# Altium PCB WX0.007.247PCB-4.2.PcbDoc (part 1 of 2)
Units mil, origin at the board's own origin, x right, y up, seen from the top; angles counter-clockwise.
Board outline 4724.41 x 7748.1 mil, 2 copper layers (Top Layer, Bottom Layer), stack 12.8 mil thick; 181 components, 142 nets, 623 pads, 518 vias.
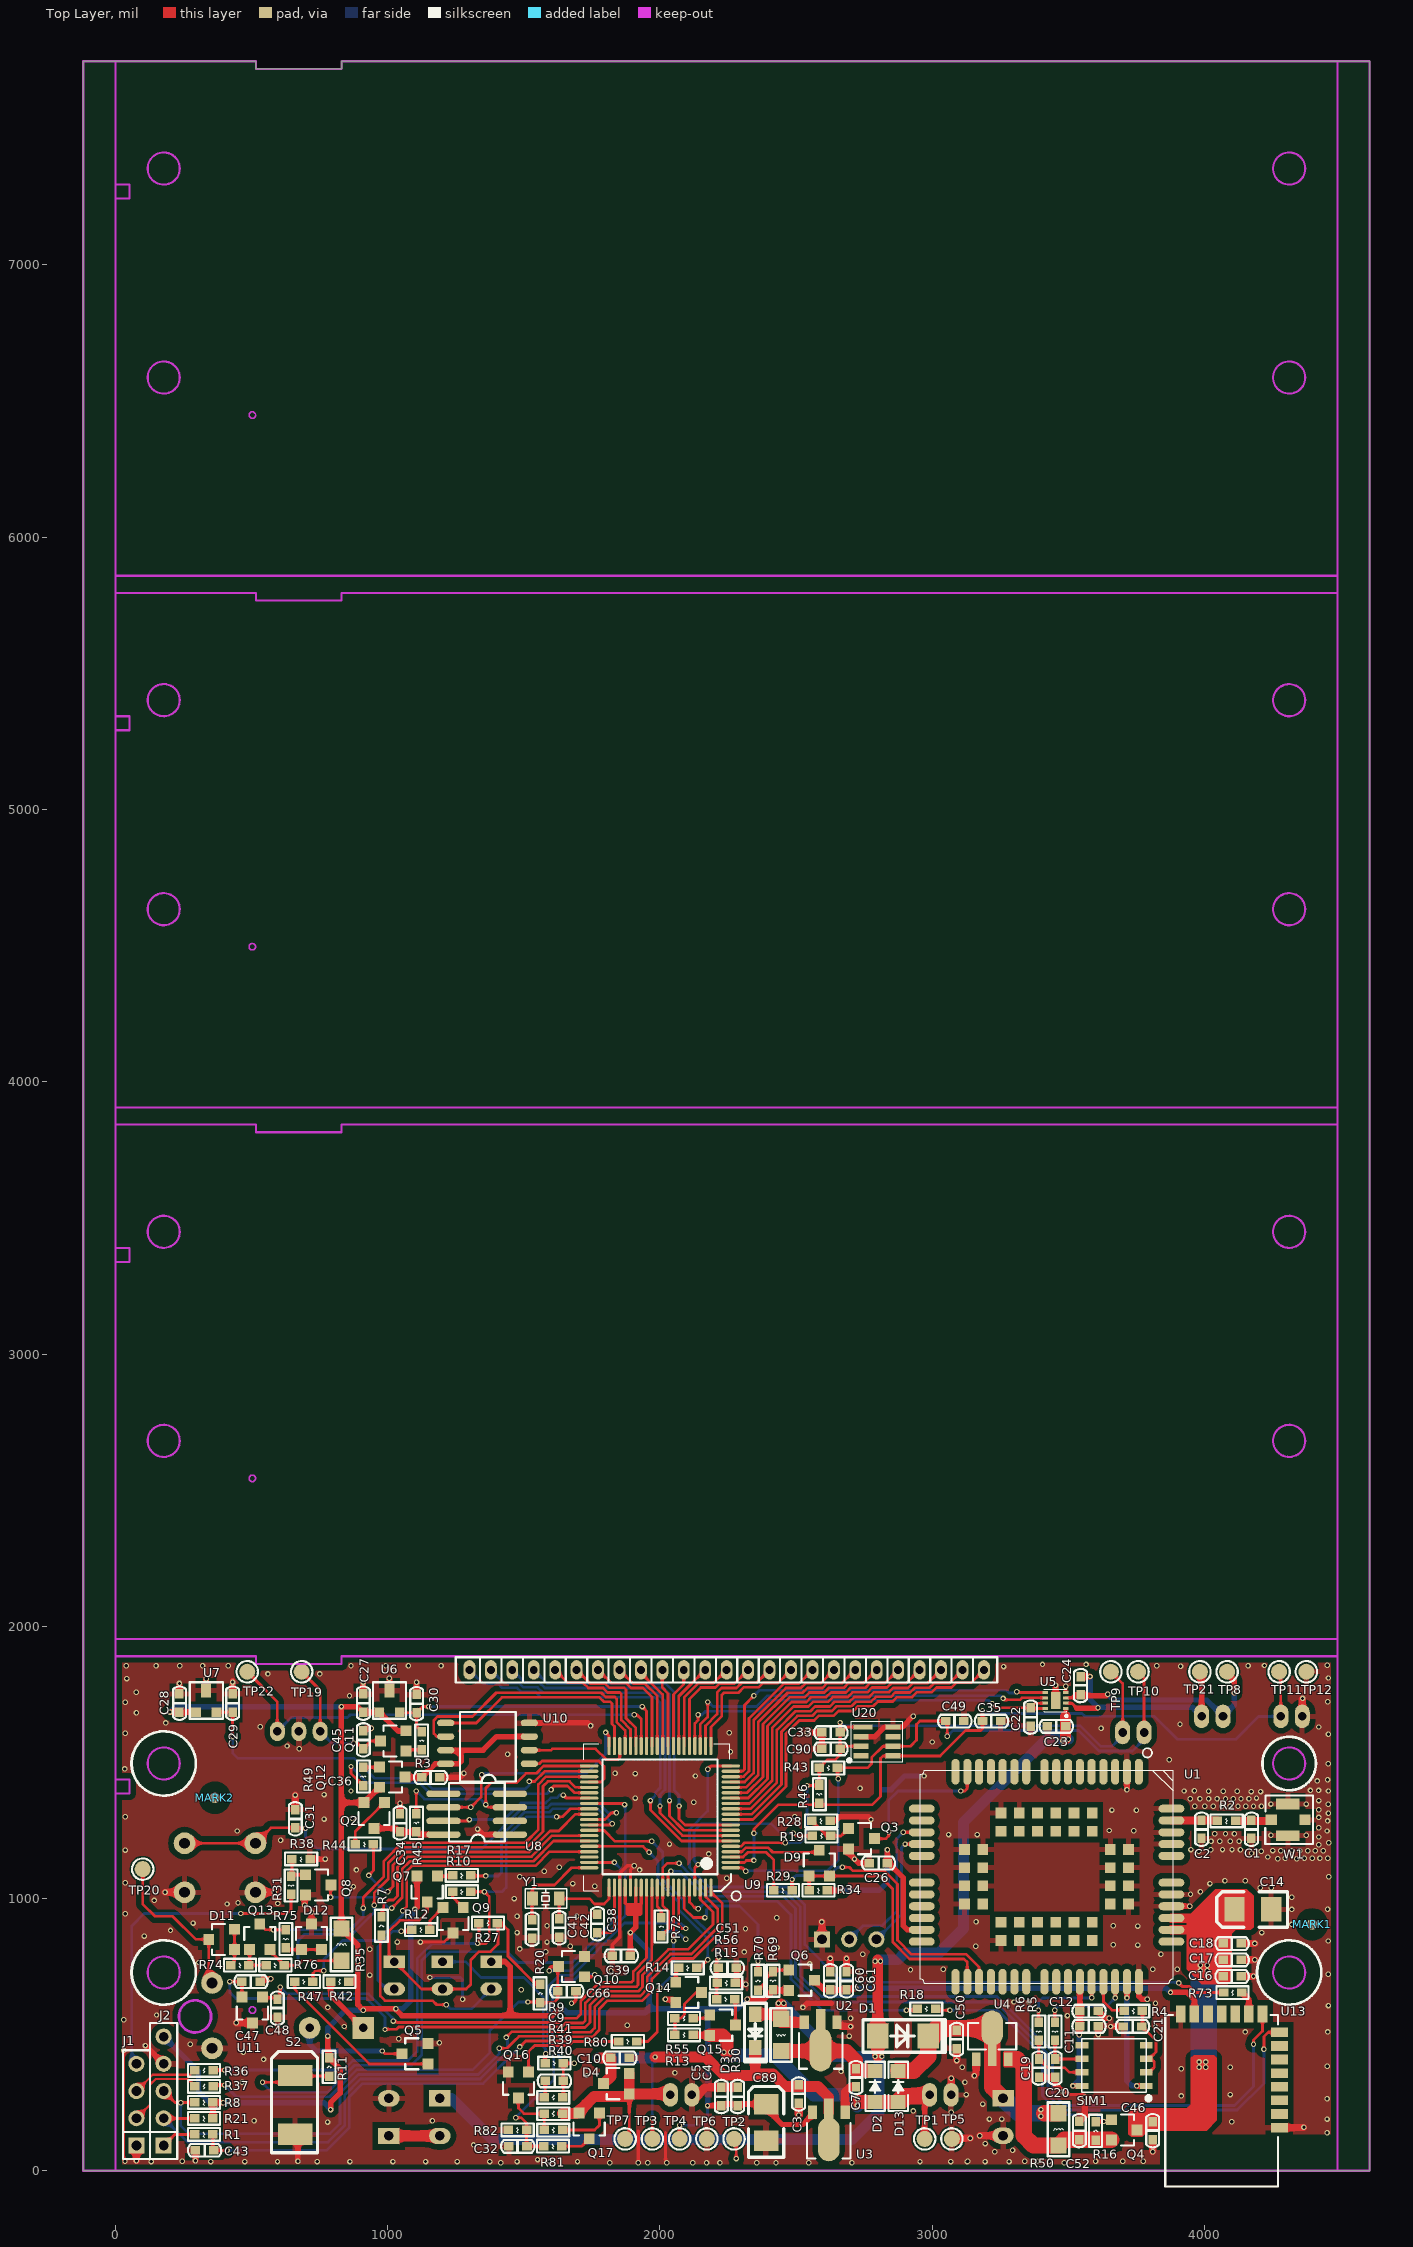
[diagram p0: Top Layer view]
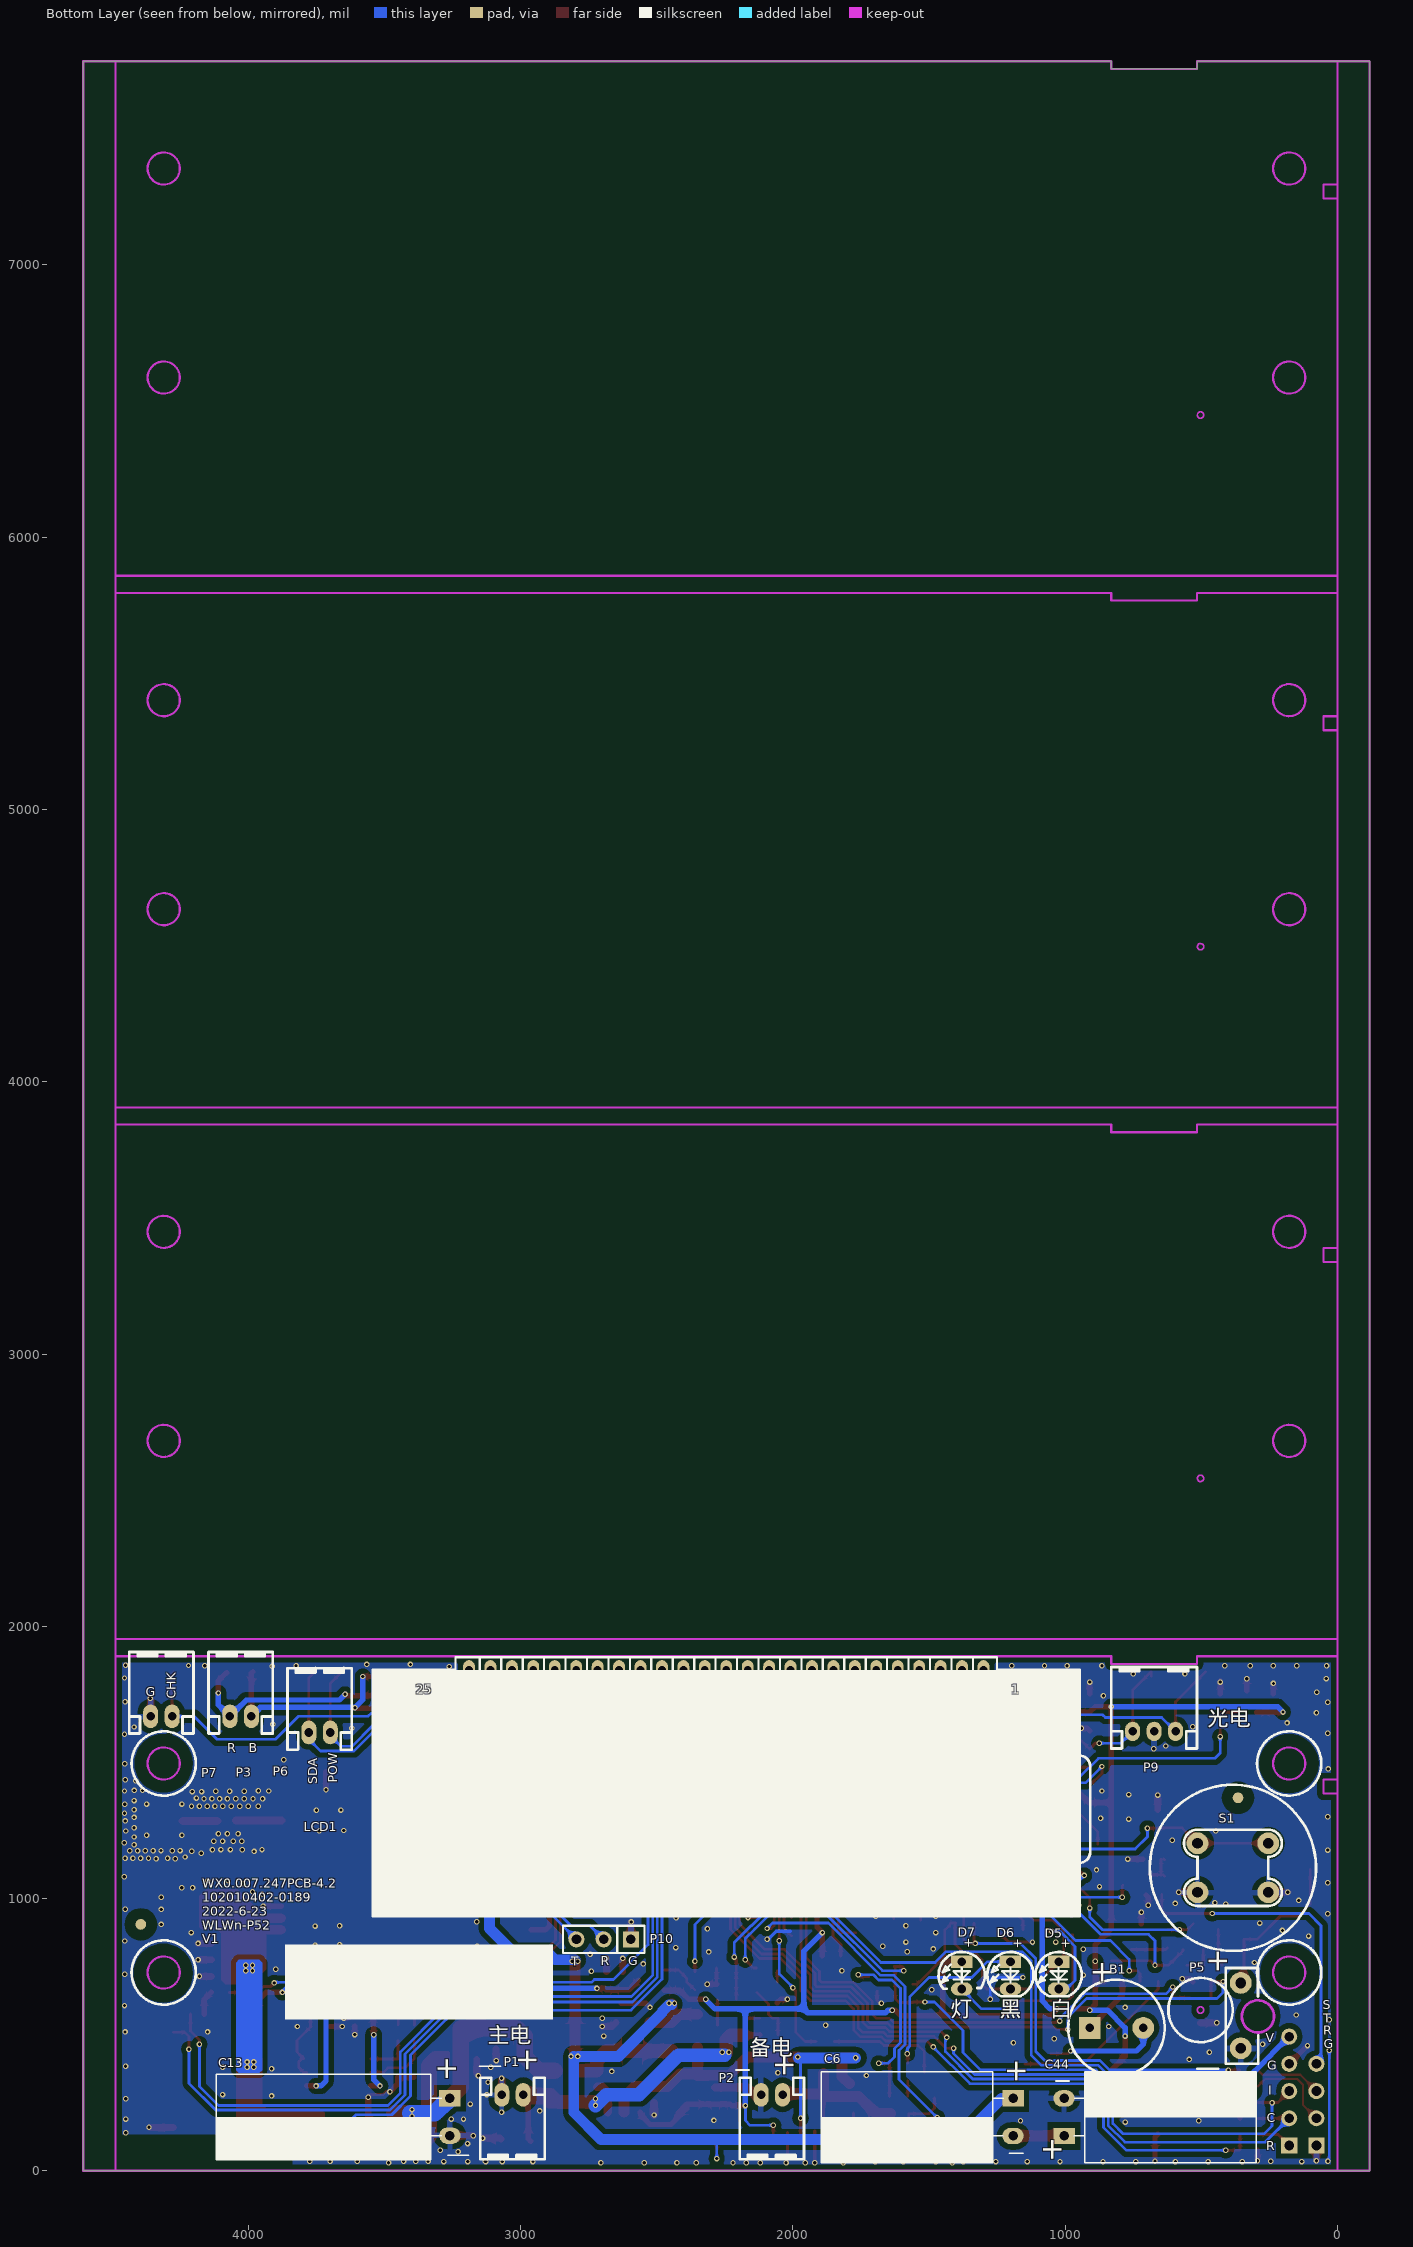
[diagram p1: Bottom Layer view, seen from below]

## Layer stack, top to bottom
Top Solder: solder mask 0.4, Solder Resist, Dk 3.5
Top Layer: signal copper 1.4
Dielectric 1: core 10, FR-4, Dk 4.2
Bottom Layer: signal copper 1.4
Bottom Solder: solder mask 0.4, Solder Resist, Dk 3.5

## Board outline
-118.11,0 -118.11,7748.07 515.76,7748.07 515.76,7720.33 830.72,7720.33 830.72,7748.07 4488.18,7748.07 4488.19,7748.04 4606.29,7748.04 4606.29,-0.03 4606.3,0 4488.17,0 4488.19,0 0,0

## Design rules (kind name [scope] priority, off if disabled: settings)
Clearance VIA-VIA [ISVIA vs ISVIA] p1: gap=20 ignorepadtopadclearanceinfootprint=FALSE except(0: Arc-Hole Track-Hole SMDPad-Hole THPad-Hole Via-Hole Fill-Hole Poly-Hole Region-Hole Text-Hole)
Clearance VIA-PAD [ISVIA vs ISPAD] p2: gap=15 ignorepadtopadclearanceinfootprint=FALSE except(0: Arc-Hole Track-Hole SMDPad-Hole THPad-Hole Via-Hole Fill-Hole Poly-Hole Region-Hole Text-Hole)
Clearance VIA-TRACK [ISVIA vs ISTRACK] p3: gap=15 ignorepadtopadclearanceinfootprint=FALSE except(0: Arc-Hole Track-Hole SMDPad-Hole THPad-Hole Via-Hole Fill-Hole Poly-Hole Region-Hole Text-Hole)
Clearance Polygon [InPolygon] p4: gap=20 ignorepadtopadclearanceinfootprint=FALSE except(0: Arc-Hole Track-Hole SMDPad-Hole THPad-Hole Via-Hole Fill-Hole Poly-Hole Region-Hole Text-Hole)
Clearance [All] p5: gap=7 ignorepadtopadclearanceinfootprint=FALSE except(0: Arc-Hole Track-Hole SMDPad-Hole THPad-Hole Via-Hole Fill-Hole Poly-Hole Region-Hole Text-Hole)
ComponentClearance [All] p1 off: gap=10 collisioncheckmode=3 verticalgap=10 showdistances=FALSE
FabricationTestPointUsage TestPointUsage [All] p1: valid=0 allowmultiple=FALSE
FabricationTestpoint Testpoint [(IsPad And (OnTopLayer Or OnBottomLayer))] p1: side=3 testpointundercomponent=TRUE minsize=40 maxsize=100 preferedsize=60 minholesize=0 maxholesize=40 preferedholesize=32 testpointgrid=1 allowsidetop=TRUE allowsidebottom=TRUE usegrid=TRUE gridtolerance=0.01
HoleSize [All] p1 off: absolutevalues=TRUE maxlimit=300 minlimit=0 maxpercent=80.000 minpercent=20.000
HoleToHoleClearance [All] p1 off: gap=10 allowstackedmicrovias=TRUE
LayerPairs [All] p1 off: enforce=TRUE
MinimumSolderMaskSliver [All] p1 off: minsoldermaskwidth=10
NetAntennae [All] p1 off: netantennaetolerance=0
PlaneConnect [All] p1: planeconnectstyle=Relief reliefexpansion=20 reliefentries=4 reliefconductorwidth=20 reliefairgap=10
PolygonConnect [isvia] p1: connectstyle=Direct reliefconductorwidth=15 reliefentries=4 polygonreliefangle="90 Angle" airgapwidth=10
PolygonConnect PolygonConnect_1 [All] p2: connectstyle=Relief reliefconductorwidth=20 reliefentries=4 polygonreliefangle="90 Angle" airgapwidth=20
RoutingVias [All] p1: holewidth=10 width=20 viastyle="Through Hole" minholewidth=5 minwidth=5 maxholewidth=50 maxwidth=100
SilkToBoardRegionClearance [All] p1 off:
SilkToSilkClearance [All] p1 off: silktosilkclearance=10
SilkToSolderMaskClearance [IsPad] p1 off: minsilkscreentomaskgap=10 clearancetoexposedcopper=TRUE
SolderMaskExpansion [All] p1: expansion=4
Width [All] p1: maxlimit=300 minlimit=8 preferedwidth=8
18 further rules are at their usual default settings.

## Classes and differential pairs
component class "yuanlitu 1 P52+压力检测": B1 C9 C27 C28 C29 C30 C31 C33 C35 C36 C38 C39 C41 C42 C43 C45 C47 C48 C49 C66 C90 D5 D6 D7 D11 D12 J1 J2 LCD1 MARK1 MARK2 P5 P6 P7 P9 Q5 Q7 Q8 Q9 Q10 Q11 Q12 Q13 R1 R3 R7 R8 R9 R10 R12 R17 R20 R21 R27 R31 R35 R36 R37 R38 R41 R42 R43 R46 R47 R49 R72 R73 R74 R75 R76 S1 TP9 TP10 TP11 TP12 TP19 TP20 TP22 U6 U7 U9 U10 U11 U20 Y1
component class "yuanlitu 2 P52+压力检测": C1 C2 C3 C4 C5 C6 C7 C10 C11 C12 C13 C14 C16 C17 C18 C19 C20 C21 C22 C23 C24 C26 C32 C34 C44 C46 C50 C51 C52 C60 C61 C89 D1 D2 D3 D4 D9 D13 P1 P2 P3 P10 Q2 Q3 Q4 Q6 Q14 Q15 Q16 Q17 R2 R4 R5 R6 R11 R13 R14 R15 R16 R18 R19 R28 R29 R30 R34 R39 R40 R44 R45 R50 R55 R56 R69 R70 R80 R81 R82 S2 SIM1 TP1 TP2 TP3 TP4 TP5 TP6 TP7 TP8 TP21 U1 U2 U3 U4 U5 U8 U13 W1

## Components (designator, comment, footprint, x,y, rotation, side; value= is the part's Value field where it differs from the comment)
B1 "HYT-0903" HYT-0903 910,525 r180 bottom locked
C1 "NC" CAP0603 4172,1221.78 r90 top
C2 "NC" CAP0603 3989.02,1221.78 r90 top
C3 "10uF/10V" CAP0603 2510,315 r270 top
C4 "10uF/10V" CAP0603 2285,240 r90 top
C5 "100nF/50V" CAP0603 2225,240 r90 top
C6 "1F/2.75V" CAPPC_350_800_1600R 1266.32,364.32 r90 bottom locked
C7 "100nF/50V" CAP0603 2720,375 r270 top
C9 "10pF/50V" CAP0603 1645,330 r180 top
C10 "100nF/50V" CAP0603 1820,415 r0 top
C11 "100nF/50V" CAP0603 3543.02,531.08 r0 top
C12 "33pF/50V" CAP0603 3543.02,587.08 r0 top
C13 "1000uF/16V" CAPPC_500_800_2000R 3260,198 r270 bottom locked
C14 "100uF/10V" CAT3528 4110,960 r0 top
C16 "100nF/50V" CAP0603 4068.5,714 r0 top
C17 "33pF/50V" CAP0603 4068.5,775 r0 top
C18 "10pF/50V" CAP0603 4068.5,835 r0 top
C19 "33pF/50V" CAP0603 3392.13,410.12 r270 top
C20 "33pF/50V" CAP0603 3451.88,410.12 r270 top
C21 "33pF/50V" CAP0603 3768.37,530.08 r180 top
C22 "100nF/50V" CAP0603 3361,1633.84 r90 top
C23 "100nF/50V" CAP0603 3423,1632.84 r0 top
C24 "100nF/50V" CAP0603 3545,1815 r270 top
C26 "1uF/16V" CAP0603 2835,1130 r180 top
C27 "1uF/16V" CAP0603 910,1685 r90 top
C28 "1uF/16V" CAP0603 235,1685 r90 top
C29 "1nF/50V" CAP0603 430,1685 r90 top
C30 "1nF/50V" CAP0603 1106,1683 r90 top
C31 "100nF/50V" CAP0603 660,1260 r90 top
C32 "10pF/50V" CAP0603 1445,90 r0 top
C33 "100nF/50V" CAP0603 2595,1610 r0 top
C34 "100nF/50V" CAP0603 1045,1245 r90 top
C35 "100nF/50V" CAP0603 3185,1652 r0 top
C36 "100nF/50V" CAP0603 1125,1445 r0 top
C38 "100nF/50V" CAP0603 1770,875 r90 top
C39 "100nF/50V" CAP0603 1825,790 r0 top
C41 "12pF/50V" CAP0603 1530,855 r90 top
C42 "12pF/50V" CAP0603 1630,925 r270 top
C43 "33pF/50V" CAP0603 360,75 r180 top
C44 "1F/2.75V" CAPPC_350_800_1600R 929,29.68 r270 bottom locked
C45 "1uF/16V" CAP0603 910,1550 r90 top
C46 "1uF/16V" CAP0603 3810,180 r270 top
C47 "1nF/50V" CAP0603 465,695 r0 top
C48 "1uF/16V" CAP0603 595,630 r270 top
C49 "33pF/50V" CAP0603 3050,1652 r0 top
C50 "100nF/50V" CAP0603 3090,515 r270 top
C51 "10pF/50V" CAP0603 2280,745 r180 top
C52 "1uF/16V" CAP0603 3540,115 r90 top
C60 "1uF/16V" CAP0603 2625,665 r90 top
C61 "10uF/10V" CAP0603 2685,665 r90 top
C66 "100pF/50V" CAP0603 1625,660 r0 top
C89 "100uF/10V" CAT3528 2390,245 r270 top
C90 "10uF/10V" CAP0603 2595,1550 r0 top
D1 "SS12" DO-214AC 2892.5,495 r0 top
D2 "DS36W" SOD-123FL#1 2790,250 r90 top
D3 "DS12W" SOD-123FL#2 2350,575 r270 top
D4 "BAT54CLT1" SOT-23#1 1840,320 r90 top
D5 "AT203" IR_254_532_300 1024,768 r180 bottom
D6 "AT403" IR_254_532_300 1201,768 r180 bottom
D7 "LED_T3R" LED2_300 1380,768 r180 bottom locked
D9 "BAT54CLT1" SOT-23#1 2585,1130 r0 top
D11 "BAT54CLT1" SOT-23#1 390,850 r90 top
D12 "BAT54CLT1" SOT-23#1 720,859.69 r0 top
D13 "DS36W" SOD-123FL#1 2875,250 r90 top
J1 "PIN254_1*4*WXHJ" PIN254_1*4*WXHJ 77,93 r90 top
J2 "PIN254_1*5*WXHJ" PIN254_1*5*WXHJ 177,93 r90 top
LCD1 "GVH26634A-HPP" LCD_GVH21861A-HPP 1300,1840 r180 bottom locked
MARK1 "MARK" MARK 4395,905 r90 top
MARK2 "MARK" MARK 365,1370 r90 top
P1 "PH200_1*2R" PH200_1*2R 3030,279 r180 bottom
P2 "PH200_1*2R" PH200_1*2R 2077.37,279 r180 bottom
P3 "PH200_1*2R" PH200_1*2R 4028.63,1669 r0 bottom
P5 "90 mm    WX100.060.LJ" WXHJ_Connect_01 355,450 r180 bottom
P6 "PH200_1*2R" PH200_1*2R 3738.63,1610 r0 bottom
P7 "PH200_1*2R" PH200_1*2R 4319.63,1669 r0 bottom locked
P9 "PH200_1*3R" PH200_1*3R 752,1614 r0 bottom locked
P10 "模块调试" PIN254_1*3*WXHJ 2795,850 r0 bottom
Q2 "PNPS-9012" SOT-23#1 950,1305 r180 top
Q3 "NPNS-9013" SOT-23#1 2740,1220 r270 top
Q4 "UT3401ZG" SOT-23#1 3705,150 r270 top
Q5 "NPNS-9013" SOT-23#1 1100,430 r90 top
Q6 "UT3401ZG" SOT-23#1 2520,700 r270 top
Q7 "PNPS-9012" SOT-23#1 1145,1035 r180 top
Q8 "NPNS-9013" SOT-23#1 745,1050 r270 top
Q9 "PNPS-9012" SOT-23#1 1240,920 r180 top
Q10 "NPNS-9013" SOT-23#1 1675,750 r90 top
Q11 "PNPS-9012" SOT-23#1 1020,1578.77 r90 top
Q12 "PNPS-9012" SOT-23#1 1016.69,1446.23 r270 top
Q13 "PNPS-9012" SOT-23#1 530,859.69 r0 top
Q14 "NPNS-9013" SOT-23#1 2105,655 r270 top
Q15 "PNPS-9012" SOT-23#1 2230,535 r270 top
Q16 "NPNS-9013" SOT-23#1 1480,315 r180 top
Q17 "PNPS-9012" SOT-23#1 1740,165 r180 top
R1 "100R 5%" RES0603 357.86,133.68 r180 top
R2 "0R 5%" RES0603 4114.17,1285 r180 top
R3 "3K 5%" RES0603 1125,1613.36 r270 top
R4 "22R 5%" RES0603 3705,587.08 r0 top
R5 "22R 5%" RES0603 3450.88,478.87 r90 top
R6 "22R 5%" RES0603 3391.13,478.87 r90 top
R7 "1K 5%" RES0603 977,933.01 r270 top
R8 "10K 5%" RES0603 357.86,251.04 r180 top
R9 "20K 5%" RES0603 1645,395 r180 top
R10 "3K 5%" RES0603 1305,1025 r180 top
R11 "1M 5%" RES0603 785,415 r270 top
R12 "100R 5%" RES0603 1155,885 r180 top
R13 "10K 5%" RES0603 2055,500 r0 top
R14 "3K 5%" RES0603 2135,745 r180 top
R15 "330K 5%" RES0603 2275,630 r180 top
R16 "2M 5%" RES0603 3600,180 r270 top
R17 "3K 5%" RES0603 1305,1085 r180 top
R18 "200K 5%" RES0603 2945,595 r0 top
R19 "3K 5%" RES0603 2560,1230 r0 top
R20 "20K 5%" RES0603 1560,685 r270 top
R21 "10K 5%" RES0603 357.86,192.36 r180 top
R27 "20K 5%" RES0603 1335,910 r0 top
R28 "1K 5%" RES0603 2625,1285 r180 top
R29 "1K 5%" RES0603 2485,1030 r180 top
R30 "0R 5%" RES1206 2445,440 r90 top
R31 "3K 5%" RES0603 645,1015 r90 top
R34 "20K 5%" RES0603 2615,1030 r180 top
R35 "0R 5%" RES1206 830,890 r270 top
R36 "1K 5%" RES0603 291.86,369.4 r0 top
R37 "1K 5%" RES0603 291.86,310.72 r0 top
R38 "1K 5%" RES0603 715,1145 r180 top
R39 "10K 5%" RES0603 1575,210 r0 top
R40 "10K 5%" RES0603 1575,150 r0 top
R41 "47K 5%" RES0603 1575,270 r0 top
R42 "51R 5%" RES0603 790,695 r0 top
R43 "5.1K 5%" RES0603 2585,1480 r0 top
R44 "3K 5%" RES0603 947.64,1200 r180 top
R45 "20K 5%" RES0603 1105,1245 r90 top
R46 "5.1K 5%" RES0603 2584.62,1350 r90 top
R47 "3K 5%" RES0603 725,695 r180 top
R49 "3K 5%" RES0603 910,1415 r90 top
R50 "0R 5%" RES1206 3463.87,211.13 r270 top
R55 "10K 5%" RES0603 2055,560 r0 top
R56 "220K 5%" RES0603 2210,690 r0 top
R69 "2M 5%" RES0603 2415,665 r90 top
R70 "200K 5%" RES0603 2360,731 r270 top
R72 "1K 5%" RES0603 2005,930 r270 top
R73 "1K 5%" RES0603 4070,655 r0 top
R74 "3K 5%" RES0603 490,755 r180 top
R75 "100K 5%" RES0603 625,818.44 r90 top
R76 "10K 5%" RES0603 620,755 r180 top
R80 "3K 5%" RES0603 1915,475 r180 top
R81 "330K 5%" RES0603 1640,90 r180 top
R82 "220K 5%" RES0603 1510,150 r180 top
S1 "SWT_4_600_600_430" SWT_4_600_600 384,1113 r0 bottom locked
S2 "SWS_2_520_300_300" SWS_2_520_300 660,350 r90 top
SIM1 "SIMIC" SIMIC 3550,485 r270 top
TP1 "TEST-PAD" TEST-PAD 2972,117 r0 top locked
TP2 "TEST-PAD" TEST-PAD 2272,117 r0 top locked
TP3 "TEST-PAD" TEST-PAD 1972,117 r0 top locked
TP4 "TEST-PAD" TEST-PAD 2072,117 r0 top locked
TP5 "TEST-PAD" TEST-PAD 3072,117 r0 top locked
TP6 "TEST-PAD" TEST-PAD 2172,117 r0 top locked
TP7 "TEST-PAD" TEST-PAD 1872,117 r0 top locked
TP8 "TEST-PAD" TEST-PAD 4083,1833 r0 top locked
TP9 "TEST-PAD" TEST-PAD 3656,1833 r0 top locked
TP10 "TEST-PAD" TEST-PAD 3756,1833 r90 top locked
TP11 "TEST-PAD" TEST-PAD 4274,1833 r90 top locked
TP12 "TEST-PAD" TEST-PAD 4374,1833 r0 top locked
TP19 "TEST-PAD" TEST-PAD 684,1833 r90 top
TP20 "TEST-PAD" TEST-PAD 100,1108 r90 top locked
TP21 "TEST-PAD" TEST-PAD 3983,1833 r90 top locked
TP22 "TEST-PAD" TEST-PAD 484,1833 r90 top locked
U1 "BC95B5JC-02-STD" BC95B5JB-02-STD 3420,1080 r270 top locked
U2 "S-1206B50-U3" SOT-89#1 2650,545 r180 top
U3 "S-1206B33-U3T1G" SOT-89#1 2680,215 r180 top
U4 "CE6232A33P" SOT-89#2 3220,445 r0 top
U5 "DRV8837DSGR" S-PWSON-N8 3453,1727.34 r180 top
U6 "S-5712ACDL1" SOT-23#2 1006,1719 r0 top locked
U7 "S-5712ACDL1" SOT-23#2 333,1719 r0 top locked
U8 "ESAM" SOP-8L-200MIL#1 1480,1235 r180 top
U9 "FM33LG0x8" LQFP80 2000,1300 r180 top locked
U10 "GD25VQ80CSIG" SOP-8L-200MIL#2 1520,1495 r180 top
U11 "S-5712ACDL1" SOT-23#1 502.76,590.55 r180 top locked
U13 "DB809" DB809 4275.32,508.62 r180 top
U20 "HP303B" LGA_8 2705,1650 r0 top
W1 "ANT-IPEX" ANT-IPEX 4245,1289 r270 top
Y1 "32.768kD" SMD-3215_2P 1630,999.65 r180 top
